# Altium PCB Sistem Tasarim PCB.PcbDoc (continued)
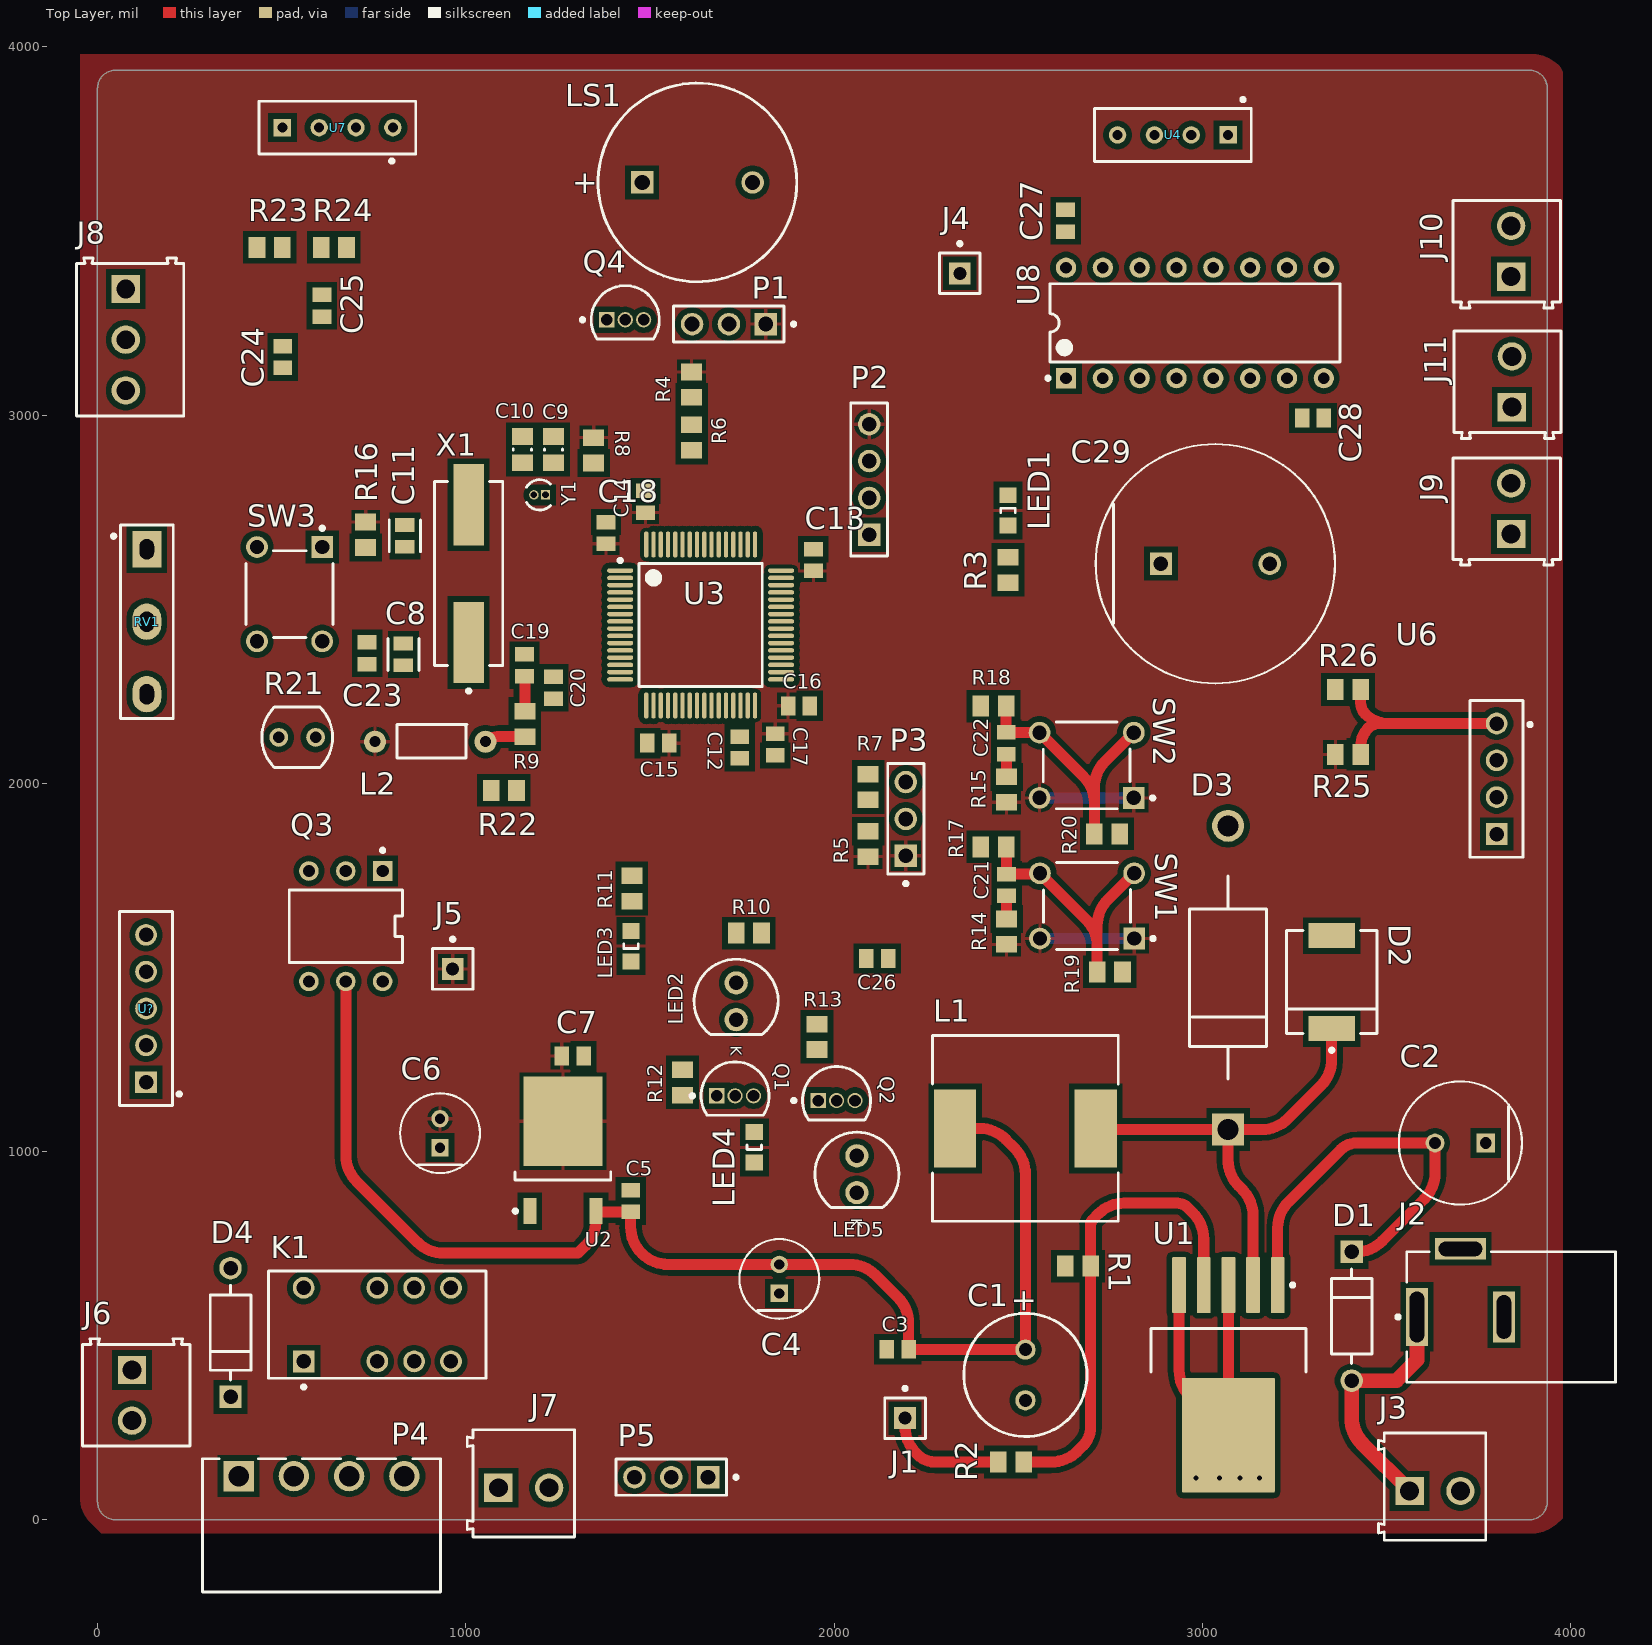
[diagram p0: Top Layer view]
## Components (designator, comment, footprint, x,y, rotation, side; value= is the part's Value field where it differs from the comment) (continued)
R23 "ERJ6ENF47R0V" RESC2013X70X40NL20T20 467.52,3455.71 r0 top value=4.7k
R24 "ERJ6ENF47R0V" RESC2013X70X40NL20T20 641.73,3455.71 r180 top value=4.7k
R25 "ERJ6ENF47R0V" RESC2013X70X40NL20T20 3395.67,2078.74 r180 top value=0R
R26 "ERJ6ENF47R0V" RESC2013X70X40NL20T20 3395.67,2254.92 r180 top value=0R
RV1 "Pot" POTANSIYOMETRE 133.86,2438.98 r270 top
SW1 "1825910-6" TECO-1825910-6_V 2687.01,1667.32 r180 top
SW2 "1825910-6" TECO-1825910-6_V 2686.02,2049.21 r180 top
SW3 "1825910-6" TECO-1825910-6_V 521.65,2513.78 r270 top
U1 "LM2596S-5.0" KTT0005B_L 3070.87,393.7 r270 top
U2 "LD1086DT33TR" TO-252_L 1263.78,1003.94 r90 top
U3 "STM32F401RCT6" STM-LQFP64_N 1637.8,2430.12 r0 top
U4 "HC-SR04" HC-SR04 2920.28,3760.83 r180 top
U6 "HC06" HC06 3799.21,2012.2 r90 top
U7 "Oled_Screen" OLED_EKRAN 651.57,3780.51 r0 top
U8 "L293D" STM-L293D-16 2979.92,3250.39 r90 top
U? "Joystick" Joystick 131.89,1388.78 r90 top
X1 "8.000MHZ" ABRA-ABLS-14.7456MHZ-B2-T_V 1007.87,2569.88 r90 top
Y1 "AB26T-32.768KHZ" ABRA-AB26T 1200.79,2783.46 r180 top

## Footprints (in the part's own frame and the unit in brackets; to place one, negate y for a bottom-side part, rotate by r counter-clockwise, add the part's x,y. Pads: shape width x height; smd on the part's side, far side on the other; paste and mask are expansions set on the pad)
0805_A [mm] "Chip LED, 2-Leads, Body 2.0x1.3mm, IPC Medium Density"
  rect 1.1x1.2 smd: 1(-1.05,0) 2(1.05,0)
  silkscreen extent -0.15,-0.5 0.15,0.5, body extent -1,-0.62 1,0.63, height 0.68
691214110002 [mm] "3.50 mm Horizontal Entry Modular, 2p"
  rect 1.95x1.95 hole 1.3: 1(-1.75,-0.3)
  round 1.95 hole 1.3: 2(1.75,-0.3)
  silkscreen extent -3.9,-3.7 3.5,3.7, body extent -3.95,-3.7 3.5,3.7, height 8.55
691214110003 [mm] "3.50 mm Horizontal Entry Modular, 3p"
  rect 1.95x1.95 hole 1.3: 1(-3.5,-0.3)
  round 1.95 hole 1.3: 2(0,-0.3) 3(3.5,-0.3)
  silkscreen extent -5.65,-3.7 5.25,3.7, body extent -5.7,-3.7 5.25,3.7, height 8.55
691322310004 [mm] "Horizontal PCB Header, pitch 3.81mm, 04p"
  rect 2.1x2.1 hole 1.4: 1(-5.715,3.4)
  round 2.1 hole 1.4: 2(-1.905,3.4) 3(1.905,3.4) 4(5.715,3.4)
  silkscreen extent -8.21,-4.6 8.22,4.6, body extent -8.21,-4.6 8.21,4.6, height 7.25
ABRA-AB26T [mm] "THD, 2-Leads, Dia 2.1mm, Body Length 6.2mm"
  rect 0.65x0.65 hole 0.45: 1(-0.4,0)
  round 0.65 hole 0.45: 2(0.4,0)
  silkscreen extent -0.74,-1.05 0.91,1.05, body extent -1.05,-1.05 1.05,1.06, height 6.2
ABRA-ABLS-14.7456MHZ-B2-T_V [mm] "SMD, 2-Leads, Body 11.4x4.7mm"
  rect 5.6x2.1 smd: 1(-4.75,0) 2(4.75,0)
  silkscreen extent -8.22,-2.35 6.35,2.35, body extent -6.35,-2.35 6.35,2.35, height 4.16
CAPC0805(2012)75_N [mm] "Chip Capacitor, Body 2.0x1.2mm, Height 0.75mm, IPC Medium Density"
  rect 1.15x1.45 smd: 1(-0.9,0) 2(0.9,0)
  silkscreen extent -0.05,-0.62 0.05,0.63, body extent -1.1,-0.72 1.1,0.73, height 0.75
CAPC2013X135X45LL10T25 [mm] "Chip Capacitor, 2-Leads, Body 2.00x1.25mm, IPC High Density"
  rect 1x1.3 smd: 1(-0.75,0) 2(0.75,0)
  body extent -1.05,-0.67 1.05,0.68, height 1.35
CUI-PJ-002A_V [mm] "THD, 3-Leads, Body 14.4x9mm, Height 11mm"
  rect 1.5x4 hole 1 slot 3.5 at 90 deg: 1(-3,0)
  rect 1.5x3.5 hole 1 slot 3 at 90 deg: 2(3,0)
  rect 3.5x1.5 hole 1 slot 3 at 0 deg: 3(0,4.7)
  silkscreen extent -4.42,-4.5 10.7,4.5, body extent -3.7,-4.5 10.7,4.9, height 11
EXCE-VT90N1 [mm] "THD, 2-Leads, Body Width 4.17mm (Max), Height 2.29mm"
  round 1.3 hole 0.8: 1(-1.27,0) 2(1.27,0)
  silkscreen extent -2.44,-2.08 2.44,2.08, body extent -2.44,-2.09 2.44,2.09, height 2.29
FP-1N4007-MFG [mm]
  rect 1.55x1.55 hole 1 paste-1000 mask+0: 1(-4.44,0)
  round 1.55 hole 1 paste-1000 mask+0: 2(4.44,0)
  silkscreen extent -3.26,-1.4 3.26,1.4, body extent -5.32,-1.5 5.32,1.5, height 0.25
FP-4N25-MFG [mm]
  rect 1.35x1.35 hole 0.85 paste-1000 mask+0: 1(-3.81,2.54)
  round 1.35 hole 0.85 paste-1000 mask+0: 2(-3.81,0) 3(-3.81,-2.54) 4(3.81,-2.54) 5(3.81,0) 6(3.81,2.54)
  silkscreen extent -5.36,-3.9 2.5,3.9, body extent -4.58,-4 4.58,4, height 0.25
FP-95402-MFG [mm]
  rect 1.72x3.2 smd paste+0 mask+0: 1(-3.205,0) 2(3.205,0)
  silkscreen extent -4.82,-3.11 3.55,3.11, body extent -4.17,-3.21 4.17,3.21, height 0.25
FP-C0805C-DN-MFG [mm]
  rect 0.95x1.35 smd paste+0 mask+0: 1(-0.75,0) 2(0.75,0)
  silkscreen extent -1.1,-1.07 1.1,1.07, body extent -1.4,-0.85 1.4,0.85, height 0.25
FP-DO-201AD-MFG [mm]
  rect 2.2x2.2 hole 1.45 paste-1000 mask+0: 1(-10.47,0)
  round 2.2 hole 1.45 paste-1000 mask+0: 2(10.47,0)
  silkscreen extent -7,-2.65 7,2.65, body extent -11.67,-2.75 11.67,2.75, height 0.25
FP-RAD-TH-D_5_0_5-L_11_1-MFG [mm]
  rect 1.2x1.2 hole 0.7 paste-1000 mask+0: 1(-1,0)
  round 1.2 hole 0.7 paste-1000 mask+0: 2(1,0)
  silkscreen extent -2.75,-2.75 2.75,2.75, body extent -2.85,-2.85 2.85,2.85, height 0.25
FP-RAD-TH-D_8_0_5-L_11_5-MFG [mm]
  rect 1.3x1.3 hole 0.8 paste-1000 mask+0: 1(-1.75,0)
  round 1.3 hole 0.8 paste-1000 mask+0: 2(1.75,0)
  silkscreen extent -4.25,-4.25 4.25,4.25, body extent -4.35,-4.35 4.35,4.35, height 0.25
FP-RAD-TH-D_16_0_5-L_25_2-MFG [mm]
  rect 1.55x1.55 hole 1 paste-1000 mask+0: 1(-3.75,0)
  round 1.55 hole 1 paste-1000 mask+0: 2(3.75,0)
  silkscreen extent -8.25,-8.25 8.25,8.25, body extent -8.35,-8.35 8.35,8.35, height 0.25
FP-SRR1280-MFG [mm]
  rect 2.9x5.4 smd paste+0 mask+0: 1(-4.85,0) 2(4.85,0)
  silkscreen extent -6.4,-6.4 6.4,6.4, body extent -6.5,-6.5 6.5,6.5, height 0.25
HC06 [mm] "Bluetooth Sensor"
  rect 1.5x1.5 hole 1: 1(-3.8,0)
  round 1.5 hole 1: 2(-1.26,0) 3(1.28,0) 4(3.82,0)
  silkscreen extent -5.4,-2.43 5.4,1.83, body extent -8.55,-0.3 8.45,7.22, height 37
HC-SR04 [mm] "Distance Sensor"
  rect 1.2x1.2 hole 0.7: 1(-3.8,0)
  round 1.2 hole 0.7: 2(-1.26,0) 3(1.28,0) 4(3.82,0)
  silkscreen extent -5.4,-2.56 5.4,1.83, body extent -22.5,-17.55 22.5,0.25, height 20
"INDUCTOR THT" [mil]
  round 60 hole 30: 1(-150,0) 2(150,0)
  silkscreen extent -90,-44 99,47, body extent -161,-44 159,42, height 91
Joystick [mm] "2 axis Joystick"
  rect 1.5x1.5 hole 1: 1(-5.08,0)
  round 1.5 hole 1: 2(-2.54,0) 3(0,0) 4(2.54,0) 5(5.08,0)
  silkscreen extent -6.68,-2.41 6.69,1.83, body extent -13.19,-8.28 14.46,26.23, height 34.3
KINGS-KPEG242-2 [mm] "THD, 2-Leads, Dia 13.7mm, Pitch 7.62mm"
  rect 1.55x1.55 hole 1.05: 1(-3.81,0)
  round 1.55 hole 1.05: 2(3.81,0)
  silkscreen extent -6.85,-6.85 6.85,6.85, body extent -6.85,-6.85 6.85,6.85, height 7.6
KTT0005B_L [mm] "DPAK, 5-Leads, Body 10.65x9.65mm, Pitch 1.7mm, IPC High Density"
  rrect11% 3.85x0.95 smd: 1(-6.2,3.4) 2(-6.2,1.7) 3(-6.2,0) 4(-6.2,-1.7) 5(-6.2,-3.4)
  rrect2% 7.9x6.4 smd: 6(4.15,0)
  silkscreen extent -6.32,-5.35 -0.2,5.35, body extent -3.2,-5.32 6.45,5.33, height 4.83
MOLX-22-28-4033_V [mm] "THD, 3-Leads, Body 7.62x2.49mm, Pitch 2.54mm"
  rect 1.55x1.55 hole 1.02: 1(-2.54,0)
  round 1.55 hole 1.02: 2(0,0) 3(2.54,0)
  silkscreen extent -4.59,-1.24 3.81,1.24, body extent -3.81,-1.24 3.81,1.24, height 8.38
OLED_EKRAN [mm]
  rect 1.2x1.2 hole 0.7: 1(-3.8,0)
  round 1.2 hole 0.7: 2(-1.26,0) 3(1.28,0) 4(3.82,0)
  silkscreen extent -5.4,-2.42 5.4,1.83, body extent -14.2,-1.47 14.2,25.93, height 5.56
ONSC-TO-92-3-29-11 [mm] "TO, 3-Leads, Body Dia 4.7mm, Pitch 1.27mm"
  rect 1.05x1.05 hole 0.8: 1(-1.27,0)
  round 1.05 hole 0.8: 2(0,0) 3(1.27,0)
  silkscreen extent -3.07,-1.34 2.35,2.35, body extent -2.35,-1.33 2.36,2.36, height 7.87
PIN1 [mm] "Connector; Plug"
  rect 1.5x1.5 hole 0.9: 1(0,0)
  silkscreen extent -1.4,-1.4 1.4,2.17
PNSC-ECA-1VM221-2 [mm] "THD, 2-Leads, Dia 8.5mm, Body Length 12.5mm, Pin Spacing 3.5mm"
  round 1.4 hole 0.9: 1(-1.75,0) 2(1.75,0)
  silkscreen extent -4.25,-4.25 4.25,4.25, body extent -4.25,-4.25 4.25,4.25, height 12.5
PNSC-TX2-5V_V [mm] "Relay, 8-Leads, Body 15x7.4mm"
  rect 1.5x1.5 hole 1 paste+0: 1(-5.08,-2.54)
  round 1.5 hole 1 paste+0: 3(0,-2.54) 4(2.54,-2.54) 5(5.08,-2.54) 8(5.08,2.54) 9(2.54,2.54) 10(0,2.54) 12(-5.08,2.54)
  silkscreen extent -7.5,-4.42 7.5,3.7, body extent -7.5,-3.7 7.5,3.7, height 8.2
POTANSIYOMETRE [mm]
  rect 2.5x2 hole 1 slot 1.4 at 0 deg: 1(-5,0)
  oval 2.5x2 hole 1 slot 1.4 at 0 deg: 2(0,0) 3(5,0)
  silkscreen extent -6.68,-2.41 6.69,1.83, body extent -8.53,-23.58 8.47,5.42, height 21.49
RESC2013X70X40NL20T20 [mm] "Chip Resistor, 2-Leads, Body 2.00x1.25mm, IPC Medium Density"
  rect 1.15x1.45 smd: 1(-0.875,0) 2(0.875,0)
  body extent -1.1,-0.72 1.1,0.72, height 0.7
SMTC-TSW-104-08-X-S [mm] ".025 SQ Post Terminal Strip Assembly, 1x4 Pins, Vertical, 2.54mm Pitch, Male"
  rect 1.55x1.55 hole 1.02: 1(0,0)
  round 1.55 hole 1.02: 2(2.54,0) 3(5.08,0) 4(7.62,0)
  silkscreen extent -1.46,-1.27 9.08,1.27, body extent -1.27,-1.27 8.89,1.27, height 8.38
STM-L293D-16 [mm] "DIP, 16-Leads, Body 20x6.85mm, Pitch 2.54mm"
  rect 1.4x1.4 hole 0.8: 1(-3.81,8.89)
  round 1.4 hole 0.8: 2(-3.81,6.35) 3(-3.81,3.81) 4(-3.81,1.27) 5(-3.81,-1.27) 6(-3.81,-3.81) 7(-3.81,-6.35) 8(-3.81,-8.89) 9(3.81,-8.89) 10(3.81,-6.35) 11(3.81,-3.81) 12(3.81,-1.27) 13(3.81,1.27) 14(3.81,3.81) 15(3.81,6.35) 16(3.81,8.89)
  silkscreen extent -3.93,-10 2.7,10.26, body extent -3.93,-10 3.93,10, height 5.1
STM-LQFP64_N [mm] "Thin QFP, 64-Leads, Body 10x10mm, Pitch 0.5mm, IPC Medium Density"
  oval 1.8x0.3 smd: 1(-5.55,3.75) 2(-5.55,3.25) 3(-5.55,2.75) 4(-5.55,2.25) 5(-5.55,1.75) 6(-5.55,1.25) 7(-5.55,0.75) 8(-5.55,0.25) 9(-5.55,-0.25) 10(-5.55,-0.75) 11(-5.55,-1.25) 12(-5.55,-1.75) 13(-5.55,-2.25) 14(-5.55,-2.75) 15(-5.55,-3.25) 16(-5.55,-3.75) 33(5.55,-3.75) 34(5.55,-3.25) 35(5.55,-2.75) 36(5.55,-2.25) 37(5.55,-1.75) 38(5.55,-1.25) 39(5.55,-0.75) 40(5.55,-0.25) 41(5.55,0.25) 42(5.55,0.75) 43(5.55,1.25) 44(5.55,1.75) 45(5.55,2.25) 46(5.55,2.75) 47(5.55,3.25) 48(5.55,3.75)
  oval 0.3x1.8 smd: 17(-3.75,-5.55) 18(-3.25,-5.55) 19(-2.75,-5.55) 20(-2.25,-5.55) 21(-1.75,-5.55) 22(-1.25,-5.55) 23(-0.75,-5.55) 24(-0.25,-5.55) 25(0.25,-5.55) 26(0.75,-5.55) 27(1.25,-5.55) 28(1.75,-5.55) 29(2.25,-5.55) 30(2.75,-5.55) 31(3.25,-5.55) 32(3.75,-5.55) 49(3.75,5.55) 50(3.25,5.55) 51(2.75,5.55) 52(2.25,5.55) 53(1.75,5.55) 54(1.25,5.55) 55(0.75,5.55) 56(0.25,5.55) 57(-0.25,5.55) 58(-0.75,5.55) 59(-1.25,5.55) 60(-1.75,5.55) 61(-2.25,5.55) 62(-2.75,5.55) 63(-3.25,5.55) 64(-3.75,5.55)
  silkscreen extent -5.67,-4.25 4.25,4.57, body extent -5,-5 5,5, height 1.6
TECO-1825910-6_V [mm] "Switch, 4-Leads, Body 5.99x5.99mm"
  rect 1.5x1.5 hole 0.99: 1(-3.25,2.25)
  round 1.5 hole 0.99: 2(3.25,2.25) 3(-3.25,-2.25) 4(3.25,-2.25)
  silkscreen extent -4.68,-2.99 2.99,3, body extent -3,-2.99 2.99,3, height 5
TO-252_L [mm] "D-PAK, 4-Leads, Body 6.1x6.5mm, Pitch 2.28mm, Lead Span 9.7mm, IPC High Density"
  rect 1.8x0.9 smd: 1(-4.2,2.28) 3(-4.2,-2.28)
  rect 6.2x5.45 smd: 4(2,0)
  silkscreen extent -4.32,-3.3 -1.5,3.4, body extent -2.05,-3.3 4.15,3.3, height 2.4
"Type 5mm" [mm] "THT, LED-5mm, 2pin- Body 5.8mm"
  round 1.6 hole 1: 1(1.27,0) 2(-1.27,0)
  silkscreen extent -2.9,-2.9 2.29,2.9, body extent -2.9,-2.9 2.5,2.9, height 11.7

## Part data
C1: library part CMP-2000-05311-1, "Aluminum Electrolytic Capacitor, 220 uF, +/- 20%, 35 V, -40 to 85 degC, 2-Pin THD, RoHS, Bulk", Capacitance=220µF, Case Size/Dimension=Ø8x11.5mm, Lifetime@Temperature=2000Hrs@85degC, Manufacturer=Panasonic, Operating Temp Range=-40to+85degC, Operating Temp-Max=85degC, Package Description="2-Pin Axial Lead, Dia 8 mm, Body Length 12.5 mm", Rated voltage=35V, Ripple Current=350mA, Datasheet URL=https://datasheet.ciiva.com/26341/441851-da-01-en-elko-eca1vm221-m-r-220myf-35v-85c-26341906.pdf, Datasheet Version=Mar-06, Manufacturer URL=http://www.panasonic.com/, Package Reference=ECA-1VM221, Series=M, Type=Radial
C2: library part CMP-05427-000255-1, "Aluminum Electrolytic Capacitors (Radial Lead Type) 680uF ±20% 10V", Capacitance=680uF, Case/Package=Radial, ESR (Equivalent Series Resistance)=56mR, Max Operating Temperature=105°C, Min Operating Temperature=-40°C, Package Quantity=200, Ripple Current=950mA, Tolerance=20%, Voltage=10V, Construction=RADIAL, Contact Plating=Tin, Diameter=8mm, Height=11.5mm, Height - Seated (Max)=0.512inch, Impedance=56mR, Lead Diameter=0.6mm, Lead Free="Lead Free", Lead Pitch=3.5mm, Lead/Base Style=Straight, Length=11.5mm, Life (Hours)=6000Hour, Mount="Through Hole", Number of Pins=2, Packaging=Bulk, Radiation Hardening=No, REACH SVHC="No SVHC", Ripple Current (AC)=950mA, RoHS Compliant=Yes, Series=FR, Termination=Radial, Voltage Rating=10V, Voltage Rating (DC)=10V
C3 C5 C7 C12 C13 C14 C15 C16 C17 C18 C19 C20 C21 C22 C23 C24 C25 C26 C27 C28: library part CMP-1036-04761-2, Manufacturer=Murata, Part Number=GRM21BR71H105KA12L
C4 C6: library part CMP-05427-000869-1, "Aluminum Electrolytic Capacitors (Radial Lead Type) 10uF ±20% 100V", Capacitance=10uF, Case/Package=Radial, Dielectric Material=Aluminium, Leakage Current=3uA, Max Operating Temperature=85°C, Min Operating Temperature=-40°C, Package Quantity=200, Ripple Current=70mA, Tolerance=20%, Voltage=100V, Construction=RADIAL, Contact Plating=Tin, Diameter=5mm, Dissipation Factor=0.1%, Height=11mm, Height - Seated (Max)=0.472inch, Lead Diameter=0.5mm, Lead Free="Lead Free", Lead Pitch=2mm, Lead/Base Style=Straight, Length=11mm, Life (Hours)=2000Hour, Mount="Through Hole", Number of Pins=2, Packaging=Bulk, Polarity=Polar, Radiation Hardening=No, REACH SVHC="No SVHC", Ripple Current (AC)=70mA, RoHS Compliant=Yes, Series=M, Termination=Radial, Voltage Rating=100V, Voltage Rating (DC)=100V, Width=5mm
C8 C11: library part CMP-2007-00466-2, "CAP CER 22PF 50V 10% NP0 0805", Capacitance="22 pF", Manufacturer=KEMET, Manufacturer Part Number=C0805C220K5GACTU, Package=C0805C-DN, Temperature="-55°C to +125°C", Temperature Characteristic=C0G, Temperature Coefficient=30ppm/°C, Temperature Range High=+125°C, Temperature Range Low=-55°C, Tolerance=0.1, Voltage Rating="50 V", Automotive=No, Category=Cap, ComponentLink2Description=Datasheet, ComponentLink2URL=https://content.kemet.com/datasheets/KEM_C1003_C0G_SMD.pdf, Device Class L1="Passive Components", Device Class L2=Capacitors, Device Class L3="Ceramic Capacitors", Digikey Description="CAP CER 22PF 50V 10% NP0 0805", Height=0.88mm, Ipc Land Pattern Name=CAPC200125X78, Lead Free=Yes, Material=Ceramic, Mouser Description="Multilayer Ceramic Capacitors MLCC - SMD/SMT 50volts 22pF C0G 10%", Octopart=https://octopart.com/c0805c220k5gactu-kemet-9138623, RoHS=TRUE
C9 C10: library part CMP-1036-00687-1, "CAP 6.8pF 25V ±0.25pF 0805 (2012 Metric) Thickness 0.75mm SMD", Case-EIA=0805, Case-Metric=2012, Rated voltage="25 V", Tolerance=Â±0.25pF, Max Thickness="0.75 mm", Technology=SMT
C29: library part CMP-05427-000487-1, "Aluminum Electrolytic Capacitors (Radial Lead Type) 1000uF ±20% 50V", Capacitance=1mF, Case/Package=Radial, ESR (Equivalent Series Resistance)=16mR, Max Operating Temperature=105°C, Min Operating Temperature=-40°C, Package Quantity=250, Ripple Current=3.32A, Tolerance=20%, Voltage Rating=50V, Contact Plating=Tin, Diameter=16mm, Features="General Purpose", Height=25mm, Height - Seated (Max)=0.984inch, Impedance=16mR, Lead Diameter=0.8mm, Lead Free="Lead Free", Lead Pitch=7.5mm, Length=25mm, Life (Hours)=10000Hour, Mount="Through Hole", Number of Pins=2, Packaging="Tape and Reel", Polarity=Polar, Radiation Hardening=No, REACH SVHC="No SVHC", RoHS Compliant=Yes, Series=FR, Termination="Through Hole", Voltage Rating (DC)=50V
D1 D4: library part CMP-123542-000001-1, "Rectifier diode 1000 V 1 A DO-41, ,", Capacitance=15pF, Forward Current=1A, Manufacturer=Diotec, Max Junction Temp=+175°C, Max Repetitive Reverse Voltage=1000V, Max Surge Forward Current=27A, Peak Reverse Current=5uA, Temperature="-50°C to +175°C", Temperature Range Low=-50°C, Automotive=No, Category=Diode, ComponentLink2Description=Datasheet, ComponentLink2URL=https://datasheet.octopart.com/1N4007-Diotec-datasheet-62346875.pdf, Device Class L1="Discrete Semiconductors", Device Class L2=Diodes, Device Class L3="Rectifier Diodes", Height=2.8mm, Ipc Land Pattern Name=DIOAD888W100L520D280, Lead Free=Yes, Manufacturer Part Number=1N4007, Octopart=https://octopart.com/1n4007-diotec-4040411, Package=1N4007, Reverse Voltage=1000V, RoHS=TRUE, Temperature Range High=+175°C
D2: library part CMP-02539-000012-1, "DIODE SCHOTTKY 40V 3A DO214AB", Forward Current=3A, Manufacturer=Vishay, Max Junction Temp=+150°C, Max Repetitive Reverse Voltage=40V, Max Surge Forward Current=100A, Package=95402, Peak Reverse Current=0.5mA, Temperature="-55°C to +150°C", Temperature Range Low=-55°C, Automotive=No, Category=Diode, ComponentLink2Description=Datasheet, ComponentLink2URL=http://www.vishay.com/docs/88751/ss32.pdf, Device Class L1="Discrete Semiconductors", Device Class L2=Diodes, Device Class L3="Schottky Diodes", Digikey Description="DIODE SCHOTTKY 40V 3A DO214AB", Footprint Url=http://www.vishay.com/docs/95402/smc.pdf, Height=2.62mm, Lead Free=Yes, Manufacturer Part Number=SS34-E3/57T, Mouser Description="Schottky Diodes & Rectifiers 3.0 Amp 40 Volt", Octopart=https://octopart.com/ss34-e3%2F57t-vishay-39552907, RoHS=TRUE, Standoff Height=0mm, Temperature Range High=+150°C
D3: library part CMP-12187-000025-1, "DIODE SCHOTTKY 40V 3A DO201AD", Forward Current=3A, Manufacturer=STMicroelectronics, Max Junction Temp=+150°C, Max Repetitive Reverse Voltage=40V, Max Surge Forward Current=80A, Package=DO-201AD, Peak Reverse Current=2mA, Temperature="to +150°C", Automotive=No, Category=Diode, ComponentLink2Description=Datasheet, ComponentLink2URL=https://www.st.com/resource/en/datasheet/1n5822.pdf, Device Class L1="Discrete Semiconductors", Device Class L2=Diodes, Device Class L3="Schottky Diodes", Digikey Description="DIODE SCHOTTKY 40V 3A DO201AD", Height=5.3mm, Lead Free=Yes, Manufacturer Part Number=1N5822, Mouser Description="Schottky Diodes & Rectifiers Vr/40V Io/3A BULK", Octopart=https://octopart.com/1n5822-stmicroelectronics-323225, RoHS=TRUE, Temperature Range High=+150°C
J2: library part CMP-2000-06895-2, "Through Hole Right Angle DC Power Jack, 2.5 A, 2 mm Center Pin, 3 Position, -25 to 85 degC, RoHS, Bulk", Current Rating=2.5A, Flammability Rating=UL94V-0, Insulation Resistance=50MOhms, Manufacturer=CUIInc., Operating Temperature Range=-25Cto+85C, Package Description="3-Pin Through Hole Device, Body 14.4 x 9 mm, Height 11 mm", Voltage Rating=24V, Brand=CUI, Connector Type=DCPowerJack, Contact Gender=Male, Contact Material=Copper, Contact Plating=Nickel, Datasheet URL=http://www.cui.com/product/resource/pj-002a.pdf, Datasheet Version="Rev. 1.03, 04/2016", Factory Pack Quantity=500, Housing Material=PolybutyleneTerephthalate(PBT), Inside Contact Diameter=2mm, Manufacturer URL=http://www.cui.com/, Mounting Angle=Right, Mounting Style=ThroughHole, Mounting Technology=ThroughHole, Outside Contact Diameter=6.5mm, Package Reference=PJ-002A, Product=Jacks, Product Category=DCPowerConnectors, RoHS=True, Termination Style=ThroughHole
J3 J6 J7 J9 J10 J11: library part CMP-1502-02464-1, "Serie 2141 - 3.50 mm Horizontal Entry Modular with Rising Cage Clamp WR-TBL, 2 pin", Manufacturer="Wurth Elektronik", Operating Temperature=-40to105degC, Datasheet URL=http://katalog.we-online.de/em/datasheet/6912141100xx.pdf, Manufacturer URL=http://www.we-online.de, Mounting Technology=THT, Package Reference=691214110002, Packaging=Box, Part Number=691214110002, Pin Number=2, Pitch=3.50mm, Publisher=WurthElektronik
J8: library part CMP-1502-02466-1, "Serie 2141 - 3.50 mm Horizontal Entry Modular with Rising Cage Clamp WR-TBL, 3 pin", Manufacturer="Wurth Elektronik", Operating Temperature=-40to105degC, Datasheet URL=http://katalog.we-online.de/em/datasheet/6912141100xx.pdf, Manufacturer URL=http://www.we-online.de, Mounting Technology=THT, Package Reference=691214110003, Packaging=Box, Part Number=691214110003, Pin Number=3, Pitch=3.50mm, Publisher=WurthElektronik
K1: library part CMP-2000-07334-1, "2000 V AC Breakdown Voltage, 2 Form C and 2 A Relay, Coil Votage 5 V, 28.1 mA, 178 Ohm, 140 mW, -40 to 85 degC, 8-Pin THD, RoHS, Tube", Coil Current=28.1mA, Coil Operating Lower Percent Limit=75%, Coil Operating Upper Percent Limit=150%, Coil Power Cont=140mW, Coil Resistance=178ohm, Coil Voltage VDC Nom=5V, Contact Current AC Max=500mA, Contact Current DC Max=2A, Contact Current Min=10µA, Contact Voltage AC Max=125V, Contact Voltage AC Nom=250V, Contact Voltage DC Max=30V, Manufacturer=Panasonic, Operating Temperature Max=85°C, Operating Temperature Min=-40°C, Operating Time=4ms, Package Description="8-Pin Through Hole Relay, Body 15 x 7.4 mm", Approval Bodies=CSA/UL, Approval Category=EN41003, Coil Type=DC, Contact Configuration=DPCO, Contact Current Max=2A, Contact Material=SilverAlloy,GoldClad, Contact Plating=Gold, Contact Voltage DC Nom=30V, Datasheet URL=http://www3.panasonic.biz/ac/e_download/control/relay/signal/catalog/mech_eng_tx.pdf?f_cd=302302, Datasheet Version=07/2014, DC Coil Power=140mW, External Depth=8.2mm, External Height=15mm, External Length / Height=15mm, External Width=7.4mm, Lead Spacing=2.54mm, Manufacturer URL=http://www.panasonic.com/, Mounting Technology=ThroughHole, Mounting Type=PCB, No. of Poles=2, Nom Operating Power=140mW, Package Reference=TX2-5V, PCB Hole Diameter=1mm, Relay Mounting=ThroughHole, Relay Type=GeneralPurpose, SVHC=NoSVHC(19-Dec-2012)
L1: library part CMP-2000-07148-2, "FIXED IND 33UH 3.5A 57 MOHM SMD", Case/Package=Nonstandard, Current Rating=3.5A, DC Resistance (DCR)=57mR, Frequency=9.5MHz, Inductance=33uH, Inductance Tolerance=20%, Max Operating Temperature=125°C, Min Operating Temperature=-40°C, Package Quantity=400, Resistance=57MR, Resistor Type=Wirewound, Saturation Current=3.3A, Test Frequency=100kHz, Core Material=Ferrite, DC Current=3.5A, Depth=12.8mm, Height=7.5mm, Height - Seated (Max)=0.315inch, Length=12.5mm, Material=Steel, Max DC Current=3.5A, Military Standard=Not, Mount="Surface Mount", Number of Pins=2, Packaging="Tape and Reel", Q Factor=28, Radiation Hardening=No, REACH SVHC="No SVHC", RMS Current (Irms)=3.5A, RoHS Compliant=Yes, Sample Rate (Hz)=100kHz, Self Resonant Frequency=9.5MHz, Series=SRR1280, Shielding=Shielded, Termination=SMD/SMT, Tolerance=20%, Width=12.5mm
L2: "Fixed Ind 100uH THT"
LED1 LED3 LED4: library part CMP-1426-00011-1, "SMD mono-color Chip LED, WL-SMCW, Red", Color=Red, Manufacturer="Wuerth Elektronik", ComponentLink1Description="Manufacturer URL", ComponentLink1URL=http://www.we-online.com, ComponentLink2Description=Datasheet, ComponentLink2URL=http://katalog.we-online.com/led/datasheet/150080RS75000.pdf, PackageReference=0805_A, PartNumber=150080RS75000
LED2 LED5: library part CMP-1488-00008-1, "THT LED round mono-color color lens, WL-TMRW, Red", Emitting color=Red, Manufacturer="Wuerth Elektronik", ComponentLink1Description="Manufacturer URL", ComponentLink1URL=http://www.we-online.com, ComponentLink2Description=Datasheet, ComponentLink2URL=http://katalog.we-online.de/pbs/datasheet/7448042001.pdfhttp://katalog.we-online.de/pbs/datasheet/7448042001.pdfhttp://katalog.we-online.de/pbs/datasheet/7448042001.pdfhttp://katalog.we-online.de/pbs/datasheet/151051RS11000.pdf, PackageReference="Type 5mm", PartNumber=151051RS11000
LS1: library part CMP-2000-06518-1, "Piezo Indicator, 4100 Hz, 3 to 16 V, -20 to 70 degC, 2-Pin THD, RoHS", Current - Max=7A, Frequency Range=3600to4600Hz, Manufacturer=KingstateElectronicsCorp., Maximum Resonant Frequency=4600Hz, Maximum Supply Current=7mA, Operating Temperature=-20to70°C, Package Description="2-Pin Through Hole Device, Body Dia 13.7 mm, Pitch 7.62 mm", PartNumber=KPE-242, Typical Operating Supply Voltage=12Vdc, Category=AudioIndicatorsandAlerts, Datasheet URL=https://datasheet.ciiva.com/11776/0900766b8068f3a2-11776713.pdf, Datasheet Version=01/2006, Manufacturer URL=http://www.kingstate.com.tw/index.php/en/, Minimum Sound Pressure=70dBA, Mounting=ThroughHole, Mounting Technology=ThroughHole, Package Reference=KPEG242, Product Diameter=13.7mm, Product Height=7.6mm, Technology=Piezo, Termination Method=Pin, Tone Mode=Continuous, Type=Indicator
P1 P3 P5: library part CMP-1676-00001-5, "Male Header, Pitch 2.54 mm, 1 x 3 Position, Height 8.38 mm, Tail Length 3.18 mm, RoHS, Bulk", Colour=Black, Current Rating="4 A", Manufacturer=Molex, Max Operating Temperature="75 degC", Min Operating Temperature="0 degC", Package Quantity=1, Voltage Rating="250 V", ComponentLink1Description="Manufacturer URL", ComponentLink1URL=http://www.molex.com/, ComponentLink2Description=Datasheet, ComponentLink2URL=http://www.molex.com/pdm_docs/sd/022284033_sd.pdf, Contact Finish=Gold, Contact Material=Brass, Contact Plating=Gold, DatasheetVersion="Rev. G, 01/2012", Height="8.38 mm", Lead Pitch="0.1 inch", Length="7.62 mm", Mount="Through Hole", Mounting Technology="Through Hole", PackageDescription="Male Header, Pitch 2.54 mm, 1 x 3 Position, Height 8.38 mm, Tail Length 3.18 mm", PackageReference=22-28-4033, Packaging=Bulk, Pins=3, REACH SVHC=Unknown, RoHSCompliant=true, Rows=1
P2: library part CMP-1024-00356-1, "0.025\" SQ Post Header, Through-hole, Vertical, -55 to 105 degC, 2.54 mm Pitch, 4-Pin, Male, RoHS", Manufacturer=Samtec, PartNumber=TSW-104-08-T-S, Temperature Range="-55 to 105 degC", ComponentLink1Description="Manufacturer URL", ComponentLink1URL=http://www.samtec.com, ComponentLink2Description=Datasheet, ComponentLink2URL=http://www.samtec.com/documents/webfiles/pdf/TSW_TH.PDF, ComponentLink3Description="Package Specification", ComponentLink3URL=http://www.samtec.com/documents/webfiles/cpdf/TSW-XXX-XX-XXX-X-XX-XXX-MKT.pdf, DatasheetVersion=F-214, Mounting Technology=Through-hole, Orientation=Vertical, PackageDescription=".025[0.64] SQ. Post Terminal Strip Assembly", PackageReference=TSW-104-08-X-S, PackageVersion="DM, 8/1988", Pitch="2.54 mm", RoHS=True
P4: library part CMP-1502-01888-1, "Serie 322 - 3.81mm Horizontal PCB Header WR-TBL, 4 pin", Manufacturer="Wurth Elektronik", Operating Temperature=-40to105degC, Datasheet URL=http://katalog.we-online.de/em/datasheet/6913223100xx.pdf, Gender=Male, Manufacturer URL=http://www.we-online.de, Mounting Technology=THT, Package Reference=691322310004, Packaging=Box, Part Number=691322310004, Pin Number=4, Pitch=3.81mm, Publisher=WurthElektronik
Q1 Q2 Q4: library part CMP-1048-01467-1, "Amplifier Transistor, NPN Silicon, 3-Pin TO-92, Bulk Box", Manufacturer="On Semiconductor", ComponentLink1Description="Manufacturer URL", ComponentLink1URL=http://www.onsemi.com/, ComponentLink2Description=Datasheet, ComponentLink2URL=http://www.onsemi.com/pub_link/Collateral/BC546-D.PDF, ComponentLink3Description="Package Specification", ComponentLink3URL=http://www.onsemi.cn/pub_link/Collateral/2N6426-D.PDF, DatasheetVersion="Rev. 7", fT Min (MHz)=150, IC Continuous (A)=0.1, Mounting Technology="Through Hole", PackageDescription="3-Pin Transistor Outline, Body 4.825 x 3.685 mm, Pitch 1.27 mm", PackageReference=TO-92-3-29-11_AM_SL, PackageVersion="Rev. AM", Packing="Bulk Box", PartNumber=BC547B, Polarity=NPN, RoHS=FALSE
Q3: library part CMP-22018-000009-1, "OPTOISO 2.5KV TRANS W/BASE 6DIP", Case/Package=PDIP, Collector Emitter Breakdown Voltage=30V, Collector Emitter Saturation Voltage=500mV, Current Transfer Ratio=50%, Forward Current=60mA, Forward Voltage=1.5V, Input Current=50mA, Isolation Voltage=5kV, Max Collector Current=100mA, Max Input Current=80mA, Max Operating Temperature=100°C, Max Power Dissipation=250mW, Min Operating Temperature=-55°C, Output Voltage=70V, Package Quantity=2000, Power Dissipation=150mW, Reverse Breakdown Voltage=5V, Collector Emitter Voltage (VCEO)=30V, Collector-emitter Voltage-Max=500mV, Fall Time=2us, Input Type=DC, Isolation Voltage-Max=5kV, Lead Free="Lead Free", Max Output Voltage=30V, Mount="Through Hole", Number of Channels=1, Number of Circuits=1, Number of Elements=1, Number of Pins=6, Output Current per Channel=100mA, Packaging=Rail/Tube, Radiation Hardening=No, Rise Time=2us, Series=-
R1 R2 R3 R4 R5 R6 R7 R8 R9 R10 R11 R12 R13 R14 R15 R16 R17 R18 R19 R20 R22 R23 R24 R25 R26: library part CMP-2001-00205-1, Manufacturer=Panasonic, Part Number=ERJ6ENF47R0V
R21: library part CMP-2000-07406-1, "Photoconductive Resistor, 200 kOhm, 100 V, 80 mW, -40 to 75 degC, 2-Pin THD, RoHS", Dark Resistance=200kohm, Manufacturer="Excelitas Technology", Operating Temperature Max=75°C, Operating Temperature Min=-40°C, Package Description="2-Pin Through Hole Device, Body Width 4.17 mm (Max), Height 2.29 mm", Power Rating=80mW, Resistance @ Lux=12kohm, Resistor Case Style=-, Voltage Rating=100V, Datasheet URL=http://datasheet.octopart.com/VT90N1-Excelitas-datasheet-10388451.pdf, Datasheet Version=09/2006, Manufacturer URL=http://www.excelitas.com/Pages/Index.aspx, Mounting Technology=ThroughHole, Package Reference=VT90N1, Packaging=Each, Product Range=-, SVHC=Cadmiumchloride(15-Jun-2015)
RV1: library part Potansiyometre, "100K Potantiometer"
SW1 SW2 SW3: library part CMP-1684-00021-1, "Tact Switch, SPST-NO, 0.05 A, -35 to 85 degC, 4-Pin THD, RoHS, Bulk", Actuator Color=Black, Contact Rating @ Voltage=0.05A@24VDC, Dielectric Strength=500VAC, Manufacturer="TE Connectivity", Maximum AC Voltage Rating=N/A, Maximum Contact Resistance=100mOhm, Maximum DC Voltage Rating=24V, Minimum Insulation Resistance=100MOhm, Operating Temperature=-35to85C, Package Description="4-Pin Through Hole Device, Body 5.99 x 5.99 mm, Pitch 6.5 mm", Package Reference=THD, Actuator Length=1.4mm, Actuator Material=PolybutyleneTerephthalate, Actuator Style=RoundButton, Base Material=N/A, Body Orientation=Straight, Bushing Type=Unthreaded, Contact Material=CopperAlloy, Contact Plating=Silver, Datasheet URL=http://www.te.com/commerce/DocumentDelivery/DDEController?Action=showdoc&DocId=Customer+Drawing%7F1825910%7FC9%7Fpdf%7FEnglish%7FENG_CD_1825910_C9.pdf%7F1825910-6, Datasheet Version="Rev. C9", Dimension=5.99x5mm, Electrical Life=100000Cycles, Family=1825910, Function=MomentaryContact, Housing Material=N/A, Illumination=N/R, Manufacturer URL=http://www.te.com, Mechanical Life=100000Cycles, Mounting=ThroughHole, Packaging=N/A, Part No=1825910-6, Pole Throw Configuration=SPST, Product Weight=N/A, RoHS=Yes, Seal Description=N/A, Seal Location=N/A, Switch Configuration=OFF(ON), Terminal Type=PCPins, Thread Size=N/R
U1: library part CMP-0069-00270-3, "SIMPLE SWITCHER® Power Converter 150 KHz 3A Step-Down Voltage Regulator, 5-pin TO-263", Manufacturer="Texas Instruments", PackageTopMarking="NSUZXYTTE#*LM2596S*-5.0 P+", PowerWise=N, Code_JEDEC=MO-169-AB, ComponentLink1Description="Datasheet URL", ComponentLink1URL=http://www.ti.com/general/docs/lit/getliterature.tsp?genericPartNumber=LM2596&fileType=pdf, CompType=Switcher, PackageDescription="TO-263, Molded, .400 x .390 x .180in, 5 Lead, .067in Pitch, Surface Mount", PackageReference=KTT0005B, PinCount=5, RoHS=N
U2: library part CMP-0244-00125-1, "1.5A, Low Drop Positive Voltage Regulator, 3.3V, 3-Pin DPAK, Tape and Reel", ComponentLink1Description="Manufacturer URL", ComponentLink1URL=http://www.st.com, ComponentLink2Description=Datasheet, ComponentLink2URL=http://www.st.com/internet/com/TECHNICAL_RESOURCES/TECHNICAL_LITERATURE/DATASHEET/CD00001884.pdf, DatasheetVersion=11/07/2011, PackageDescription="3-Pin Transistor Outline Package 2.28 mm Pitch, 9.7 mm Lead Span (DPAK)", PackageReference=TO-252, PackageVersion=2011
U3: library part CMP-0243-00091-2, "ARM Cortex-M4 32-bit MCU+FPU, 105 DMIPS, 256 kB Flash, 64 kB Internal RAM, 48 I/Os, 64-pin LQFP, -40 to 85 degC, Tray", I/Os (High Current)=48, Manufacturer=STMicroelectronics, Operating Frequency(F) (Processor speed) (MHz)=84, Supply Voltage(Vcc) max (V)=3.6, Supply Voltage(Vcc) min (V)=1.8, ComponentLink1Description="Manufacturer URL", ComponentLink1URL=http://www.st.com/web/en/home.html, ComponentLink2Description=Datasheet, ComponentLink2URL=http://www.st.com/st-web-ui/static/active/en/resource/technical/document/data_brief/DM00071938.pdf, ComponentLink3Description="Package Specification", ComponentLink3URL=http://www.st.com/st-web-ui/static/active/en/resource/technical/document/datasheet/DM00037051.pdf, Core="ARM Cortex-M4", DatasheetVersion="Rev. 1", FLASH Size (Prog) (kB)=256, Internal RAM Size (kB)=64, Mounting Technology="Surface Mount", PackageDescription="64-Pin Low Profile Quad Flat Package, 10 x 10 mm Body, 0.5 mm Pitch", PackageReference=LQFP64, PackageVersion="Rev. 4, 06/2013", Packing=Tray, PartNumber=STM32F401RCT6
U4: library part "HC - SR04", "5V 15mA Distance Sensor THT Arduino Sensor"
U6: "HC06 Bluetooth Sensor"
U7: library part "Oled Ekran", "I2C Communication 0.96inch 5V Oled Screen"
U8: library part CMP-2000-06524-1, "Push-Pull Four Channel Driver with Diode, 4.5 to 36 V, -40 to 150 degC, 16-Pin PDIP, RoHS, Tube", Current - Output / Channel=600mA, Current - Peak Output=1.2A, Manufacturer=STMicroelectronics, On-State Resistance=-, Operating Temperature=-40°C~150°C, Package / Case="16-DIP(0.300\",7.62mm)", Package Description="16-Pin Thru-Hole Dual-In-Line, Body 20 x 6.85 mm, Pitch 2.54 mm", Package Reference=DIP-16, Standard Package=25, Supplier Device Package=16-PowerDIP, Voltage - Supply=4.5V~36V, Category=IntegratedCircuits(ICs), Datasheet URL=http://www.st.com/st-web-ui/static/active/en/resource/technical/document/datasheet/CD00000059.pdf, Datasheet Version=07/2003, Dynamic Catalog=HalfBridge, Family=PMIC-MOSFET,BridgeDrivers-InternalSwitch, Input Type=Non-Inverting, Manufacturer URL=http://www.st.com/, Mounting Technology=ThroughHole, Mounting Type=ThroughHole, Number of Outputs=4, Other Names=497-2936-5, Other Related Documents=L293DViewAllSpecifications, Packaging=Tube, PartNumber=L293D, Series=-, Type=HalfBridge
U?: "2 axial Joystick"
X1: library part CMP-2000-05726-1, "Low Profile Crystal, 8.0 MHz, +/- 30 ppm, -20 to 70 degC, 2-Pin SMD, RoHS, Tape and Reel", Case Height=4.2mm, Case Length=11.4mm, Case Width=4.7mm, Frequency=8MHz, Frequency Stability=50PPM, Load Capacitance=18pF, Manufacturer=ABRACON, Operating Temperature Range=-20Cto+70C, Package / Case=HC-49/US, Package Description="2-Pin Surface Mount Device, Body 11.4 x 4.7 mm", Package Reference=ABLS-14.7456MHZ-B2-T, Tolerance=30PPM, Brand=ABRACON, Datasheet URL=http://www.abracon.com/Resonators/abls.pdf, Datasheet Version=04/2011, Dimensions=4.7mmWx11.4mmLx4.2mmH, ESR=80Ohms, Factory Pack Quantity=1000, Manufacturer URL=http://www.abracon.com/, Mounting Style=SMD/SMT, Mounting Technology=SurfaceMount, Package URL=http://www.abracon.com/Support/PackageDrawing/Resonators/ABLS-2D.pdf, Packaging=Reel, Product Category=Crystals, RoHS=Details, Series=ABLS, Termination Style=SMD/SMT, Type=LowProfileMicroprocessorCrystal
Y1: library part CMP-2000-05723-1, "Crystal, 12.5 pF, 32.768 KHz, -10 to 60 degC, 2-Pin THD, RoHS, Bulk", Case Diameter=2.1mm, Case Length=6.2mm, Frequency=32.768kHz, Frequency Stability=-0.034PPM, Load Capacitance=12.5pF, Manufacturer=ABRACON, Operating Temperature Range=-10Cto+60C, Package / Case=Cylinder, Package Description="2-Pin Through Hole Device, Dia 2.1 mm, Body Length 6.2 mm", Package Reference=AB26T, Tolerance=20PPM, Brand=ABRACON, Datasheet URL=http://www.abracon.com/Resonators/AB26T.pdf, Datasheet Version=06/2010, Dimensions=2.1mmDia.x6.2mmL, ESR=35kOhms, Factory Pack Quantity=500, Lead Spacing=0.8mm, Manufacturer URL=http://www.abracon.com/, Mounting Style=ThroughHole, Mounting Technology=ThroughHole, Package URL=http://www.abracon.com/Support/PackageDrawing/Resonators/AB26T.PDF, Packaging=Bulk, Product Category=Crystals, RoHS=Details, Series=AB26T, Termination Style=Radial, Type=WatchCrystal
J1 J4 J5: LatestRevisionDate=17-Jul-2002, LatestRevisionNote="Re-released for DXP Platform.", Publisher="Altium Limited"

## Via types
v1: diameter 23.62, hole 13.78, Top Layer to Bottom Layer, 4 vias

## Nets (pads, with @x,y where several pads share a name; then routed paths per layer and width w, separated by ;. In a path a pad name is that pad's centre, name@x,y a point inside that pad or via, vN(x,y) a via of type N, cw(c..) or ccw(c..) an arc to the next point about the centre after c; other vN are vias at no path point)
+3V3: C6.2 C7.2 C13.2 C14.2 C15.2 C16.2 C17.2 C18.2 J5.1 L2.1 P1.1 P2.4 P3.1 R4.1 R5.1 R8.1 R14.2 R15.2 R16.2 R25.2 SW1.1 SW1.2 SW2.1 SW2.2 U2.4 U3.19 U3.32 U3.48 U3.64 | length 511.8
  Bottom Layer w30: SW2.2 SW2.1 ; SW1.2 SW1.1
+5: C1.1 C3.2 C4.2 C5.2 C27.2 J1.1 J8.1 L1.2 P5.2 Q3.5 Q4.1 R2.2 R3.2 R12.1 R13.1 R23.1 R24.1 R26.2 U2.3 U4.1 U7.3 U8.16 | length 3844
  Top Layer w30: Q3.5 674.21,990.24 ccw(c774.21,990.24) 703.5,919.53 869.33,753.7 ccw(c940.04,824.41) 940.04,724.41 1305.12,724.41 1324.25,743.55 ccw(c1253.54,814.26) 1353.54,814.26 U2.3 ccw(c1358.3,843.34) 1358.3,836.61 C5.2 1447.83,795.36 ccw(c1547.83,795.36) 1477.12,724.65 1478.58,723.19 ccw(c1549.3,793.9) 1549.3,693.9 C4.2 2042.24,693.9 cw(c2042.24,593.9) 2112.95,664.61 2173.47,604.09 cw(c2102.76,533.38) 2202.76,533.38 C3.2 ccw(c2205.13,465.96) 2205.13,462.6 C1.1 2519.68,938.89 ccw(c2419.68,938.89) 2490.4,1009.6 2466.3,1033.7 ccw(c2395.59,962.99) 2395.59,1062.99 L1.2 ; J1.1 2192.91,253.04 ccw(c2292.91,253.04) 2222.2,182.32 2228.35,176.18 ccw(c2273.49,221.33) 2273.49,157.48 R2.2
BOOT0: P1.2 R4.2 R6.2 U3.60
BOOT1: P3.2 R5.2 R7.2 U3.28
Buzzer_Output: Q4.2 U3.58
DC_Engine_Left: U3.40 U8.2 U8.10
DC_Engine_PWM: U3.41 U8.1 U8.9
Dc_Engine_Right: U3.42 U8.7 U8.15
Echo: U3.57 U4.3
GND: C1.2 C2.1 C3.1 C4.1 C5.1 C6.1 C7.1 C8.2 C9.1 C10.1 C11.2 C12.1 C13.1 C14.1 C15.1 C16.1 C17.1 C18.1 C19.1 C20.1 C23.1 C24.1 C25.1 C26.1 C27.1 C28.1 C29.1 D2.2 D3.2 D4.2 J2.2 J2.3 J3.2 J4.1 J8.3 J11.1 K1.1 LED1.1 LED2.1 LED3.1 LED4.1 LED5.1 LS1.2 P1.3 P2.3 P3.3 P5.1 Q3.2 R1.1 R6.1 R7.1 R19.1 R20.1 R22.1 RV1.3 SW3.3 SW3.4 U1.3 U1.5 U1.6 U2.1 U3.12 U3.18 U3.31 U3.47 U3.63 U4.4 U6.3 U7.4 U8.4 U8.5 U8.12 U8.13 U?.1 | length 866.1
  Top Layer w30: U1.5 2937.01,405.59 ccw(c3037.01,405.59) 2966.3,334.88 U1.6 U1.3
  other v1: 2982.28,114.17 3046.26,114.17 3102.36,114.17 3155.51,114.17
I2C_SCL: C25.2 R24.2 U3.61 U7.2
I2C_SDA: C24.2 R23.2 U3.62 U7.1
Interrupt_EXTI13: R18.1 U3.34
Interrupt_EXTI14: R17.1 U3.35
ldr_value: R21.2 R22.2 U3.20
NetC2_2: C2.2 D1.1 U1.1 | length 1107.6
  Top Layer w30: U1.1 3204.72,793.22 cw(c3304.72,793.22) 3234.01,863.93 3375,1004.92 cw(c3420.15,959.77) 3420.15,1023.62 C2.2 3631.89,942.01 cw(c3531.89,942.01) 3602.6,871.3 3488.54,757.24 cw(c3417.83,827.95) 3417.83,727.95 D1.1
NetC12_2: C12.2 U3.30
NetC21_1: C21.1 R17.2 R19.2 SW1.3 SW1.4 | length 727.2
  Top Layer w30: R17.2 cw(c2465.14,1825.38) 2468.5,1825.38 C21.1 2554.3,1753.94 ccw(c2554.3,1760.66) SW1.4 2685.28,1629.68 cw(c2614.57,1558.97) 2714.57,1558.97 ; R19.2 2714.57,1558.97 ; SW1.3 2743.86,1684.8 ccw(c2814.57,1614.09) 2714.57,1614.09 2714.57,1558.97
NetC21_2: C21.2 R14.1 | length 63
  Top Layer w30: R14.1 C21.2
NetC22_1: C22.1 R18.2 R20.2 SW2.3 SW2.4 | length 723.7
  Top Layer w30: R18.2 C22.1 2555.7,2138.78 cw(c2555.7,2135.42) SW2.4 2677.4,2018.46 cw(c2606.69,1947.75) 2706.69,1947.75 ; R20.2 2706.69,1947.75 ; SW2.3 2735.98,2059.8 ccw(c2806.69,1989.09) 2706.69,1989.09 2706.69,1947.75
NetC22_2: C22.2 R15.1 | length 62.3
  Top Layer w30: C22.2 cw(c2465.14,2077.35) 2468.5,2077.35 R15.1
NetC28_2: C28.2 C29.2 J11.2 U8.8
NetD1_2: D1.2 J2.1 J3.1 | length 677.9
  Top Layer w40: J3.1 3434.8,206.93 cw(c3505.51,277.64) 3405.51,277.64 D1.2 3526.97,378.35 3582.68,434.06 J2.1
NetD2_1: D2.1 D3.1 L1.1 U1.2 | length 1262.1
  Top Layer w30: L1.1 ccw(c2717.28,1069.65) 2717.28,1060.24 D3.1 ; U1.2 3137.8,826.69 ccw(c3037.8,826.69) 3108.51,897.4 3099.17,906.73 cw(c3169.88,977.45) 3069.88,977.45 D3.1 ; D2.1 3351.38,1250.08 cw(c3251.38,1250.08) 3322.09,1179.37 3232.24,1089.53 cw(c3161.53,1160.24) 3161.53,1060.24 D3.1
NetD4_1: D4.1 K1.12 Q3.4
NetJ6_2: J6.2 K1.9
NetJ7_1: J7.1 K1.4
NetJ9_1: J9.1 U8.3
NetJ9_2: J9.2 U8.6
NetJ10_1: J10.1 U8.11
NetJ10_2: J10.2 U8.14
NetK1_3: K1.3 P4.1
NetK1_5: K1.5 P4.2
NetK1_8: K1.8 P4.3
NetK1_10: K1.10 P4.4
NetL2_2: L2.2 R9.1 | length 110.6
  Top Layer w30: L2.2 cw(c1086.81,2079.92) 1086.81,2126.97 R9.1
NetLED1_2: LED1.2 R3.1
NetLED2_2: LED2.2 R10.2
NetLED3_2: LED3.2 R11.2
NetLED4_2: LED4.2 Q1.3
NetLED5_2: LED5.2 Q2.3
NetLS1_1: LS1.1 Q4.3
NetQ1_1: Q1.1 R12.2
NetQ2_1: Q2.1 R13.2
NetR1_2: R1.2 R2.1 U1.4 | length 1295.8
  Top Layer w30: R2.1 2590.47,157.48 ccw(c2590.47,257.48) 2661.18,186.77 2675.2,200.79 ccw(c2622.92,253.06) 2696.85,253.06 R1.2 2696.85,803.08 cw(c2713.65,803.08) 2701.77,814.96 2718.52,831.71 cw(c2787.4,762.81) 2787.4,860.24 2932.52,860.24 cw(c2932.52,823.27) 2958.66,849.41 2974.65,833.42 cw(c2903.94,762.71) 3003.94,762.71 U1.4
NetR8_2: R8.2 U3.1
NetR25_1: R25.1 R26.1 U6.4 | length 567.5
  Top Layer w30: R25.1 3430.12,2100.69 cw(c3500.69,2100.69) 3450.79,2150.59 cw(c3479.78,2121.6) 3479.78,2162.6 3504.22,2162.6 ; R26.1 3430.12,2218.88 ccw(c3473.8,2218.88) 3442.91,2187.99 ccw(c3504.22,2249.3) 3504.22,2162.6 ; U6.4 3504.22,2162.6
NRST: C23.2 R16.1 SW3.1 SW3.2 U3.7
Photo_Electric_Switch: J8.2 U3.52
pot_value: RV1.2 U3.17
RCC_OSC_HSE_1: C8.1 U3.5 X1.2
RCC_OSC_HSE_2: C11.1 U3.6 X1.1
RCC_OSC_LSE_1: C9.2 U3.3 Y1.1
RCC_OSC_LSE_2: C10.2 U3.4 Y1.2
Relay_Output: Q3.1 U3.44
Servo_Engine_PWM: C26.2 P5.3 U3.22
SWCLK: P2.2 U3.49
SWDIO: P2.1 U3.46
Trig: U3.56 U4.2
USART6_RX: U3.38 U6.2
USART6_TX: U3.37 U6.1
User_Led_0: R10.1 U3.24
User_Led_1: R11.1 U3.25
User_Led_2: Q1.2 U3.26
User_Led_3: Q2.2 U3.27
VDDA: C19.2 C20.2 R9.2 R21.1 RV1.1 U3.13 U?.2 | length 95.7
  Top Layer w30: C19.2 cw(c1157.07,2288.96) 1160.43,2288.96 R9.2
X_axis: U3.15 U?.3
Y_axis: U3.16 U?.4
pads on no net: J6.1 J7.2 Q3.3 Q3.6 U3.2 U3.8 U3.9 U3.10 U3.11 U3.14 U3.21 U3.23 U3.29 U3.33 U3.36 U3.39 U3.43 U3.45 U3.50 U3.51 U3.53 U3.54 U3.55 U3.59 U?.5

## Polygon pours and split planes (outlines as drawn)
+5 on Bottom Layer "+5_L04_P001" (solid, pour order 1): -16.73,3978.35 ccw(c-8.06,3992.57) -4.13,3976.38 3912.4,3976.38 3940.2,3948.58 cw(c3869.49,3877.87) 3969.49,3877.87 3969.49,55.12 3908.23,-6.14 cw(c3837.52,64.57) 3837.52,-35.43 9.84,-35.43 -18.94,-6.65 cw(c51.77,64.06) -48.23,64.06 -48.23,3955.57 cw(c-14.62,3955.57) -38.39,3979.33 ccw(c-36.01,3981.71) -36.01,3978.35
+3V3 on Top Layer "+3V3_L01_P000" (solid, pour order 0): 3896.57,3979.33 cw(c3896.57,3879.33) 3967.28,3950.04 3970.47,3946.85 cw(c3951.46,3927.84) 3978.35,3927.84 3978.35,4.92 3967.28,-6.14 cw(c3896.57,64.57) 3896.57,-35.43 9.84,-35.43 -17.95,-7.64 cw(c52.76,63.07) -47.24,63.07 -47.24,3976.95 cw(c-43.88,3976.95) -46.26,3979.33
no net on Int2 (PWR) (split plane): 3891.7,3916.63 3896.28,3915.53 3900.62,3913.73 3904.64,3911.27 3908.22,3908.22 3911.27,3904.64 3913.73,3900.62 3915.53,3896.28 3916.63,3891.7 3916.96,3887.51 3916.91,3887.01 3916.91,50 3916.96,49.5 3916.63,45.31 3915.53,40.73 3913.73,36.38 3911.27,32.37 3908.22,28.79 3904.64,25.74 3900.62,23.28 3896.28,21.48 3891.7,20.38 3887.51,20.05 3887.01,20.1 50,20.1 49.5,20.05 45.31,20.38 40.73,21.48 36.38,23.28 32.37,25.74 28.79,28.79 25.74,32.37 23.28,36.38 21.48,40.73 20.38,45.31 20.05,49.5 20.1,50 20.1,3887.01 20.05,3887.51 20.38,3891.7 21.48,3896.28 23.28,3900.62 25.74,3904.64 28.79,3908.22 32.37,3911.27 36.38,3913.73 40.73,3915.53 45.31,3916.63 49.5,3916.96 50,3916.91 3887.01,3916.91 3887.51,3916.96
GND on Int1 (GND) (split plane): 3891.7,3916.63 3896.28,3915.53 3900.62,3913.73 3904.64,3911.27 3908.22,3908.22 3911.27,3904.64 3913.73,3900.62 3915.53,3896.28 3916.63,3891.7 3916.96,3887.51 3916.91,3887.01 3916.91,50 3916.96,49.5 3916.63,45.31 3915.53,40.73 3913.73,36.38 3911.27,32.37 3908.22,28.79 3904.64,25.74 3900.62,23.28 3896.28,21.48 3891.7,20.38 3887.51,20.05 3887.01,20.1 50,20.1 49.5,20.05 45.31,20.38 40.73,21.48 36.38,23.28 32.37,25.74 28.79,28.79 25.74,32.37 23.28,36.38 21.48,40.73 20.38,45.31 20.05,49.5 20.1,50 20.1,3887.01 20.05,3887.51 20.38,3891.7 21.48,3896.28 23.28,3900.62 25.74,3904.64 28.79,3908.22 32.37,3911.27 36.38,3913.73 40.73,3915.53 45.31,3916.63 49.5,3916.96 50,3916.91 3887.01,3916.91 3887.51,3916.96

## Silkscreen, mask and mechanical layers (free items; w line width, h text height)
Drill Drawing:
  the board outline again, w9

## Text inside footprints (layer, text, board x,y; h text height)
C1: Top Overlay "+" at 2489.68,628.7 h60 r270
LED2: Top Overlay "K" at 1719.25,1288.27 h30 r270; Mechanical 15 "K" at 1719.25,1288.27 h30 r270
LED5: Top Overlay "K" at 2047.01,818.78 h30 r270; Mechanical 15 "K" at 2047.01,818.78 h30 r270
LS1: Top Overlay "+" at 1288.94,3601.89 h60